# Altium PCB LVC2000A.2-2S.PcbDoc (continued)
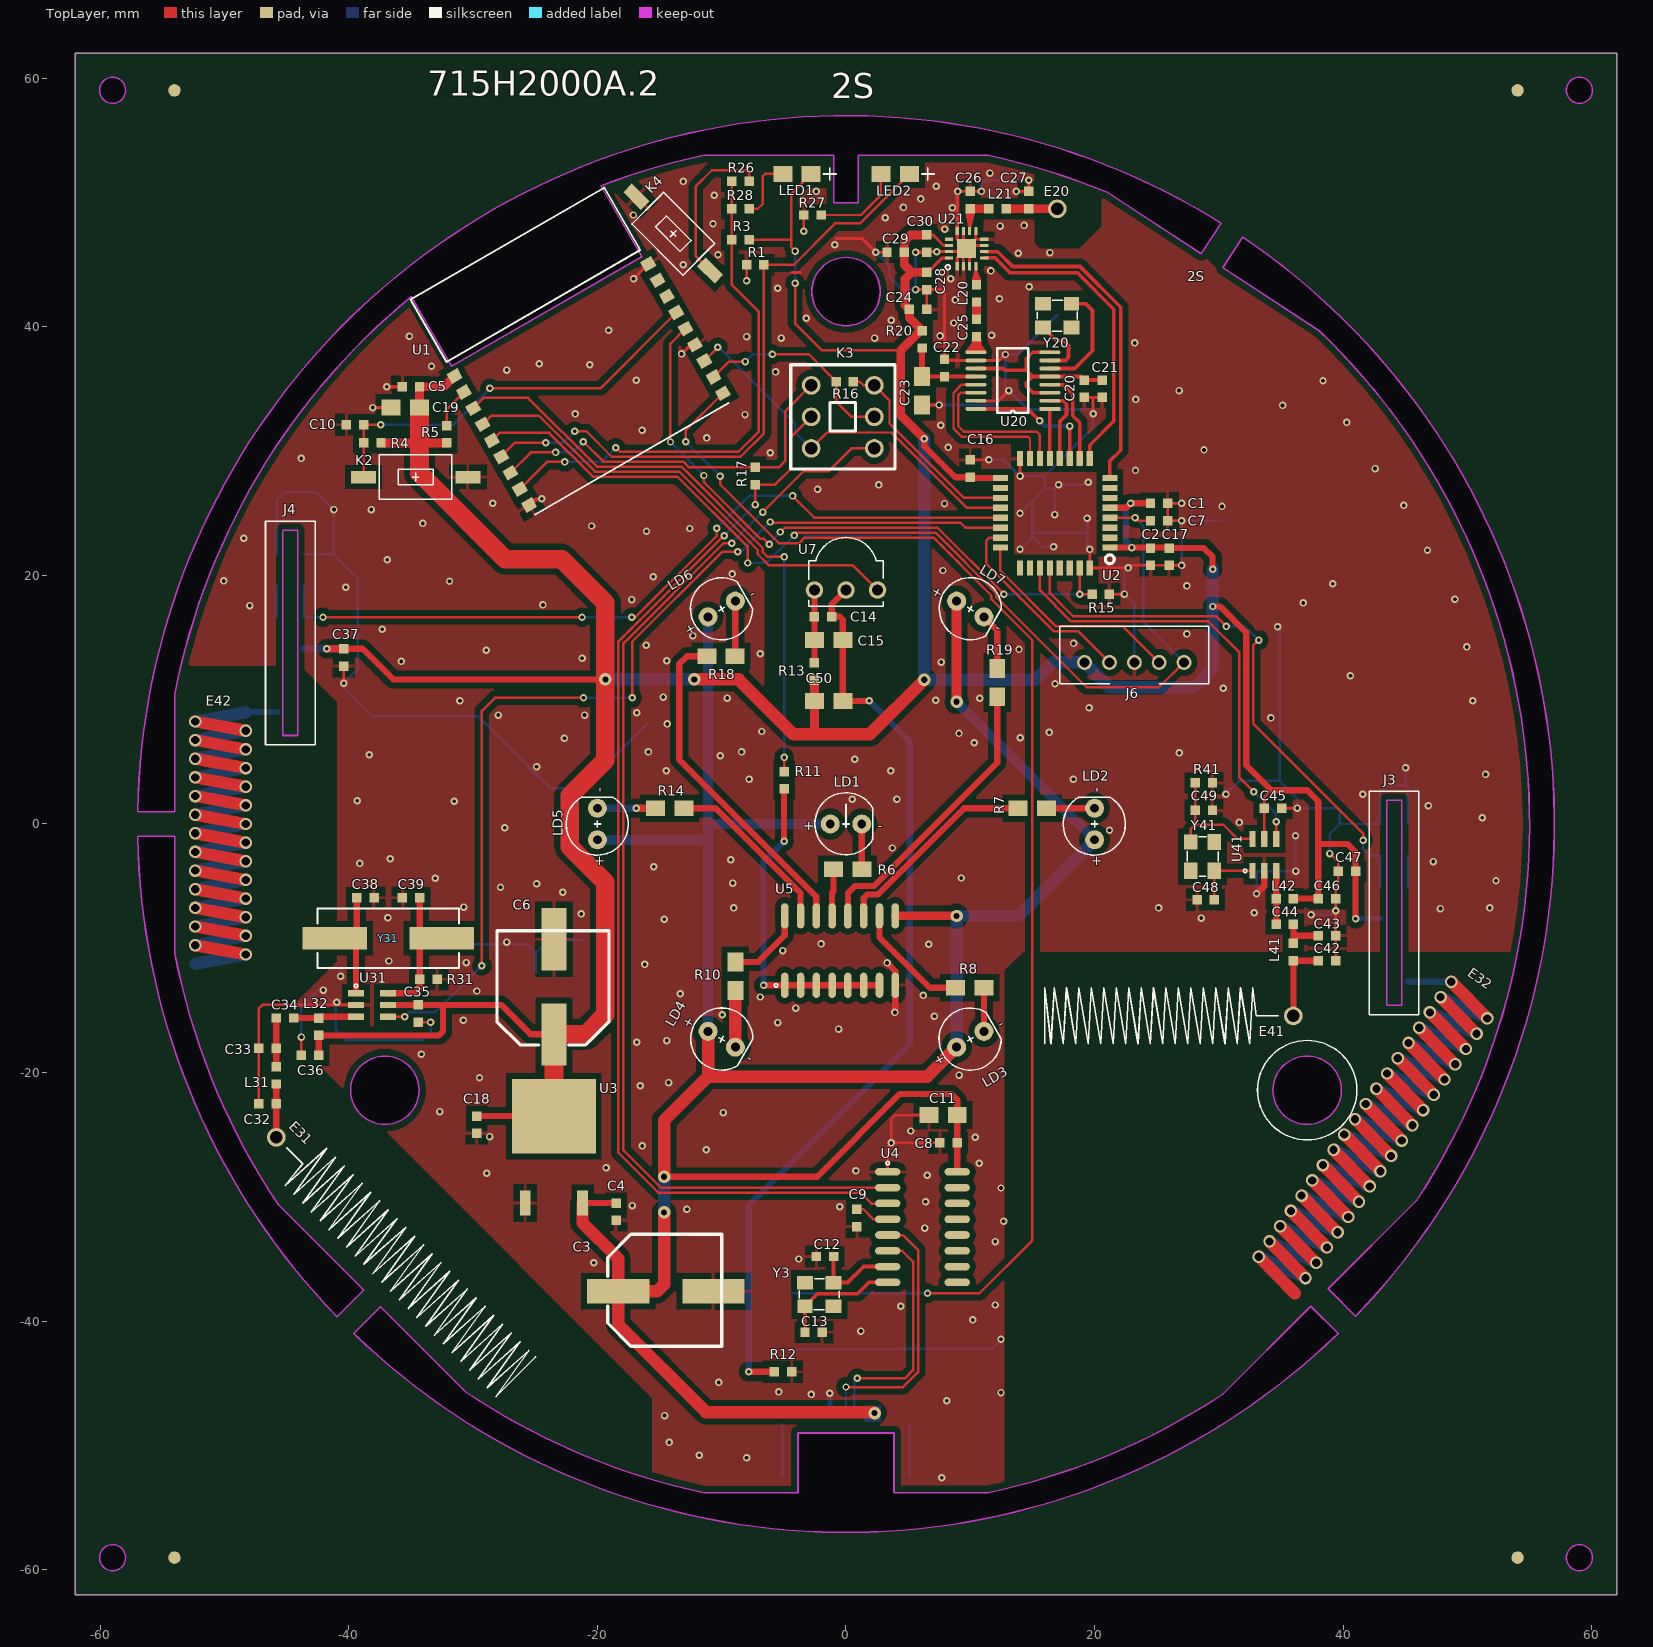
[diagram p0: TopLayer view]
## Part data
C1 C4 C5 C7 C8 C9 C10 C12 C13 C14 C16 C17 C18 C19 C20 C21 C22 C24 C25 C26 C27 C28 C29 C30 C32 C33 C34 C35 C36 C37 C38 C39 C42 C43 C44 C45 C46 C47 C48 C49: library part CAP, "Capacitor"
C2 C3 C6 C11 C15 C23 C50: library part CAPACITOR, "Capacitor"
E20 E31 E32 E41 E42: library part ANTENNA, "Generic Antenna"
J1: library part CON9, "Connector"
J3 J4: library part CON5, "Connector"
J6: "Connector"
K1 K2 K4: library part SW-PB
L20 L21: library part Inductor, "Inductor"
L31 L32 L41 L42: library part INDUCTOR
LD1 LD2 LD3 LD4 LD5 LD6 LD7: library part LED
R1 R26: library part RES1
R3 R4 R5 R6 R7 R8 R10 R11 R12 R13 R14 R15 R16 R17 R18 R19 R20 R27 R28: library part R
R31 R41: library part R, "RES"
U3: library part AMS1117
U4: "USB to TTL Serial / UART"
U7: library part IR1838
U20: library part LT8900
U31 U41: library part PT4450
Y3 Y20: library part CRYSTAL2
Y31 Y41: library part CRYSTAL

## Free pads (board coordinates)
  round 1 smd: 206(-54.035,-59.03) 206(-54.035,59.03) 206(54.035,-59.03) 206(54.035,59.03)
  round 1 smd far side: 206(-52.39,-59.03) 206(-52.39,59.03) 206(52.39,-59.03) 206(52.39,59.03)

## Via types
v1: diameter 0.6, hole 0.3, TopLayer to BottomLayer, tented both sides, 343 vias
v2: diameter 1, hole 0.66, TopLayer to BottomLayer, tented both sides, 62 vias
v3: diameter 1, hole 0.5, TopLayer to BottomLayer, tented both sides, 8 vias

## Nets (pads, with @x,y where several pads share a name; then routed paths per layer and width w, separated by ;. In a path a pad name is that pad's centre, name@x,y a point inside that pad or via, vN(x,y) a via of type N, cw(c..) or ccw(c..) an arc to the next point about the centre after c; other vN are vias at no path point)
+3.3V: C1.1 C2.1 C5.1 C6.1 C16.1 C17.1 C18.1 C19.2 C24.1 C28.1 C29.2 C30.2 C35.1 C36.1 C37.1 C45.1 C46.1 C47.1 C50.1 J3.4 J4.4 J6.1 L32.1 L42.1 LED1.1 R3.1 R4.1 R5.1 R13.1 R20.2 U1.1 U2.1 U2.5 U2.17 U3.2 U21.14 U21.16 U31.5 U41.5 | length 349.3
  TopLayer w0.2: R3.1 -4.4,47 ; v1(-4.1,43.5) -4.1,40.266 -1.967,38.133 4.382,38.133 ; v1(-4.1,46.1) -4.4,46.4 -4.4,47 ; LED1.1 -4.4,50.7 -4.4,47 ; U41.5 33.66,2.16 34.21,2.71
  TopLayer w0.25: C28.1@6.5,44.5 6.7,44.5 7.75,45.55 U21.16 ; C30.2@6.503,47.4 7,47.4 7.85,46.55 U21.14
  TopLayer w0.5: C36.1 L32.1 -32.74,-17.01 -32.42,-16.69 -32.42,-14.567 ; C37.1 -38.88,14.1 -36.41,11.63 v3(-19.36,11.63) ; U31.5 -32.427,-14.56 ; -32.42,-14.553 -27.747,-14.553 -25.375,-16.925 C6.1 ; C18.1 U3.2 ; v1(6.3,31) 6.3,30.4 8.8,27.9 C16.1 ; C16.1@10.06,27.84 U2.17 ; U2.1 v1(23,22.24) C17.1@25.96,22.24 ; U2.5 22.54,25.44 v1(22.9,25.8) C1.1 ; C17.1 28.8,22.2 29.5,21.5 v1(29.5,20.5) ; v1(29.5,17.5) 30.1,17.5 32.2,15.4 32.2,4.72 34.21,2.71 37.11,2.71 38,1.82 38,-1.603 ; L42.1 C46.1 38,-1.603 ; v1(41,-7.62) C47.1@41,-4.05 ; C47.1 41,-2.27 40.333,-1.603 38,-1.603
  TopLayer w0.6: v1(-41.78,14.1) C37.1
  TopLayer w0.7: R4.1 -34.315,30.658 R5.1 ; C19.2 C5.1 -32.369,35.179 U1.1 ; -2.54,7.214 C50.1 R13.1 ; v1(6.3,31) 4.4,32.9 4.4,38.115 5.982,39.697 R20.2 5.1,40.722 C24.1 4.75,41.75 4.75,43.85 5.3,44.4 ; C28.1@6.4,44.4 5.3,44.4 ; C30.2 5.197,47.397 4.697,46.897 C29.2 4.697,45.003 5.3,44.4
  TopLayer w1: v3@-12.217,11.63 -8.641,11.63 -4.225,7.214 -2.54,7.214 1.905,7.214 v3(6.299,11.608)
  TopLayer w1.5: C19.2 -34.315,30.658 -34.315,28.219 -27.407,21.311 -22.871,21.311 -19.36,17.8 v3(-19.36,11.63) -19.36,5.14 -22.234,2.266 -22.234,-1.826 -19.36,-4.7 -19.36,-15.36 -20.925,-16.925 C6.1 U3.2
  BottomLayer w0.2: v1(-4.1,43.5) v1(-4.1,46.1)
  BottomLayer w0.4: v1(41,-7.62) J3.4@43,-7.62
  BottomLayer w0.5: v1(22.9,25.8) 22.51,25.41 22.51,22.73 v1(23,22.24)
  BottomLayer w0.6: J4.4@-43.61,14.1 v1(-41.78,14.1)
  BottomLayer w1: v3(-19.36,11.63) -12.221,11.63 v3(-12.217,11.633) ; v1(6.3,31) 6.3,11.6 15.262,11.6 16.662,13 J6.1 21.2,11 28,11 29.5,12.5 v1(29.5,17.5) v1(29.5,20.5)
+5V: C3.1 C4.1 C8.1 C11.1 J1.1 LD1.1 LD2.1 LD3.1 LD4.1 LD5.1 LD6.1 LD7.1 U3.3 U4.16 U5.9 | length 221.4
  TopLayer w0.5: U3.3 C4.1 ; v3(-14.637,-28.378) -2.318,-28.378 4.343,-21.717 8.461,-21.717 8.944,-22.2 U4.16@8.944,-27.995
  TopLayer w0.7: U5.9 v3@8.89,-7.391
  TopLayer w0.8: v3(8.9,9.83) LD7.1@8.9,17.907
  TopLayer w1: U3.3 -21.2,-32.1 -18.325,-34.975 C3.1 ; v3(-14.637,-31.254) -14.637,-37.037 -15.2,-37.6 C3.1 ; v3(-14.637,-28.378) -14.637,-23.857 -11.1,-20.32 ; LD4.1 -11.1,-20.32 ; v3(2.3,-47.4) 2.22,-47.32 -11.28,-47.32 -18.325,-40.275 C3.1 ; LD3.1 6.536,-20.32 -11.1,-20.32
  BottomLayer w0.8: LD5.1 -11.1,-1.27 ; LD6.1 -11.1,0 ; LD4.1@-11.008,-16.594 LD4.1 -11.1,-1.27 ; LD1.1 -11.1,0 ; v3(8.9,9.83) LD2.1 ; -11.1,-1.27 -11.1,0
  BottomLayer w1: v3(-14.637,-31.254) v3(-14.637,-28.378) ; LD3.1 v3(8.9,-7.402) 13.868,-7.402 LD2.1
ANT: C25.1 U20.9 | length 1.3
  TopLayer w0.2: U20.9 10.45,39.15 C25.1
GND: C1.2 C2.2 C3.2 C4.2 C5.2 C6.2 C7.2 C8.2 C9.2 C10.2 C11.2 C12.2 C13.2 C16.2 C17.2 C18.2 C19.1 C20.1 C21.1 C22.2 C23.2 C24.2 C26.1 C27.2 C28.2 C29.1 C30.1 C32.2 C33.2 C35.2 C36.2 C37.2 C38.1 C39.1 C42.2 C43.2 C45.2 C46.2 C47.2 C48.1 C49.1 J1.5 J1.6 J1.7 J1.8 J1.9 J3.1 J4.1 J6.3 K1.1 K2.2 K4.2 R1.1 R12.1 R15.2 R27.2 R31.2 R41.1 U1.9 U1.13 U1.18 U2.16 U2.32 U3.1 U4.1 U5.8 U20.10 U20.15 U21.1 U21.2 U21.3 U21.7 U21.8 U21.9 U21.11 U21.12 U21.15 U21.17 U31.2 U41.2 | length 368.6
  TopLayer w0.2: C32.2 C33.2 -47.237,-14.837 -46.96,-14.56 U31.2 ; C36.2 v1(-43.817,-17.143) ; v1(-40.42,11.32) C37.2 ; C35.2 v1(-33.423,-15.957) ; v1(-8,43.7) R1.1 ; v1(-3.397,47.703) R27.2 ; v1(2.4,46) C29.1 ; U4.1@3.36,-28 3.36,-25.94 v1(3.64,-25.66) ; C24.2 6.5,41.403 C28.2 ; C11.2 3.95,-23.42 3.64,-23.73 v1(3.64,-25.66) ; C8.2 v1(3.64,-25.66) ; v1(9,50.9) C26.1 v1(10.9,50.9) ; U21.17@9.2,45.8 U21.17@9.45,46.05 ; U21.17@9.2,46.05 U21.17@9.45,46.05 ; U21.17@9.2,46.8 U21.17@9.45,46.55 ; U21.2 U21.17@9.45,46.05 ; U21.17@9.45,46.9 U21.17@9.45,46.55 ; U21.17@9.95,45.8 U21.17@9.95,46.05 ; U21.17@9.95,46.55 U21.17@10.2,46.8 ; C16.2 v1(11.497,29.297) ; U21.9 10.45,47.05 U21.8 ; v1(13.7,50.9) C27.2@14.697,50.9 ; v1(14.005,27.995) U2.16 ; C27.2 v1(14.7,51.8) ; v1(19.605,22.095) U2.32 v1(22.7,20.6) 22.903,20.803 C2.2 C17.2 v1(26.997,20.803) ; R15.2 v1(22.4,18.5) ; v1(27,24.4) C7.2 C1.2 v1(27,25.8) ; C45.2 v1(36.31,1.28) ; v1(38.92,-2.38) 39.603,-3.063 39.603,-4.767 39.397,-4.973 C46.2 v1(39.397,-6.99) C43.2@39.397,-8.717 ; C42.2 C43.2 ; U21.17@9.45,46.05 U21.17 U21.17@9.45,46.55
  TopLayer w0.25: v1(-38.075,33.503) C19.1 ; v1(-36.957,35.179) C5.2 ; U1.9@-25.774,25.661 U1.9 -24.994,26.162 v1(-24.486,26.162) ; v1(-17.094,43.866) U1.18 ; v1(-13.233,37.821) -12.496,38.558 U1.13 ; -4.372,44.388 -3.673,44.388 ; -0.8,47.1 1.3,47.1 v1(2.4,46) ; v1(5.6,43) C28.2@6.497,43 ; v1(5.6,46) C30.1 ; C23.2 v1(7.489,33.714) ; C28.2 7.722,43.003 7.925,42.8 C22.2 ; C30.1@6.55,46.05 v1(7.3,46.05) U21.15 U21.17@9.2,46.05 ; C22.2@8.022,37.3 U20.10 12.35,37.3 v1(12.825,37.775) ; U21.1 8.95,45.55 U21.17@9.2,45.8 ; v1@8.95,50.85 U21.12 8.95,47.05 U21.17@9.2,46.8 ; U21.17@9.45,46.9 U21.11 ; U21.3 U21.17@9.95,45.8 ; U21.17@9.95,46.55 U21.7 ; U21.17@10.2,46.8 U21.17@10.45,47.05 ; U20.15 12.275,34.05 v1(13.1,34.875) ; C20.1 19.888,34.325 ; 19.888,33.363 19.888,34.325 ; C21.1 19.888,34.325
  TopLayer w0.5: v1(3.302,-11.176) 3.962,-11.836 U5.8 v1@3.962,-15.138 ; v1(33.03,-5.62) 33.66,-4.99 U41.2
  BottomLayer w0.2: J4.1@-45.81,21.72 -45.81,26.09 -45.2,26.7 -42.6,26.7 -41.22,25.32 -41.22,21.72 ; v1(-43.817,-17.143) -43.817,-14.717 -42.36,-13.26 -41.06,-14.56 -41.06,-16.54 -40.2,-17.4 -34.1,-17.4 -33.423,-16.723 v1(-33.423,-15.957) ; J4.1@-43.61,21.72 -41.22,21.72 ; -30.6,-9.69 -25.63,-9.69 -24.96,-10.36 ; -24.96,-11.93 -24.96,-10.36 ; -21.17,-9.34 -23.94,-9.34 -24.96,-10.36 ; -16,8.03 -21.17,2.86 -23.79,2.86 -29.583,8.653 -38.153,8.653 -40.42,10.92 v1(-40.42,11.32) -39.3,12.44 -39.3,19.8 -41.22,21.72 ; J1.9 J1.8 ; K1.1@-4.344,-42.244 K1.1@4.331,-42.244 ; K1.1@4.344,-42.231 11.693,-42.231 v1(12.471,-41.453) ; J1.6 J1.7 ; v1(10.9,50.9) 10.9,51.525 11.175,51.8 v1(14.7,51.8) ; v1(11.497,29.297) 12.703,29.297 v1(14.005,27.995) 15.995,27.995 ; v1(14,22.1) 14.998,23.098 ; v1(14,25) 14.998,25.998 ; v1(16.7,22.3) 15.795,22.3 14.998,23.098 ; 16.795,26.995 15.995,26.995 ; v1(16.8,24.9) 16.8,27 v1(17.1,27.3) v1@19.3,27.3 ; v1@19.4,22.3 19.4,23.45 ; v1(19.4,24.6) 19.4,23.45 ; 19.888,33.363 19.888,31.888 15.995,27.995 ; v1(22.7,20.6) 22.4,20.3 v1(22.4,18.5) 23.2,17.7 J6.3 ; v1(26.997,20.803) v1@26.997,24.397 ; v1(27,24.4) 30.172,24.4 ; v1(30.57,2.4) 31.65,3.48 34.88,3.48 ; v1(33.03,-5.62) 33.03,-3.81 ; 33.056,-3.784 v1(36.197,-3.784) ; v1@34.88,15.88 34.88,3.48 ; v1@36.166,-3.754 v1(36.166,-0.95) ; v1(37.416,-7.302) 39.085,-7.302 v1(39.397,-6.99) ; v1(38.92,-2.38) 38.92,-0.81 39.73,0 ; v1(45.02,4.52) 45.02,3.1 ; J3.1@45.2,0 45.2,2.92 45.02,3.1 ; 14.998,23.098 14.998,23.5 ; 14.998,23.5 15.048,23.45 19.4,23.45 ; 14.998,23.5 14.998,25.998 ; 14.998,25.998 15.995,26.995 ; 15.995,26.995 15.995,27.995 ; 34.88,3.48 36.31,2.05 v1(36.31,1.28) 39.53,1.28 39.73,1.08 39.73,0 ; 39.73,0 43,0 43,2.58 43.52,3.1 45.02,3.1
  BottomLayer w0.25: v1(2.4,46) 3.5,44.9 3.5,44 4.5,43 v1(5.6,43) v1(5.6,46) ; v1(7.489,33.714) 11.939,33.714 v1(13.1,34.875) ; 17,40.95 13.825,37.775 v1(12.825,37.775) 12.825,35.15 v1(13.1,34.875) ; 19.888,33.363 14.612,33.363 v1(13.1,34.875)
  BottomLayer w0.4: J1.5 v1(-1.3,-45.8)
  other v1: 7.7,-52.6 -8,-51 -11.8,-50.8 -14.224,-49.759 -14.6,-47.6 8.1,-46.4 -2.8,-45.9 12.471,-45.745 -5.41,-45.695 -10.236,-44.933 1.2,-40.8 10.2,-39.9 4.4,-38.8 12,-38.7 -20.3,-35.3 -3.8,-35 12,-33.6 6.329,-32.512 12.675,-31.953 -12.8,-31 -0.5,-30.8 -17.2,-30.7 6.4,-30.4 12.471,-29.286 6.532,-28.27 -28.9,-28.1 0.8,-27.9 -19.304,-27.661 10.719,-27.305 -11.252,-26.213 -16.4,-25.9 10.4,-25.2 -28.677,-25.146 5.2,-24.7 -9.881,-23.216 -32.69,-23.139 -16.561,-21.057 -14.275,-20.803 -29.489,-20.422 9.1,-20.2 -34.163,-18.517 -16.84,-17.551 -14.427,-17.424 -0.6,-16.5 -5.486,-15.977 -30.785,-15.799 7.112,-15.469 -9.957,-15.342 3.937,-15.164 -4.039,-14.808 -40.97,-14.351 -6.909,-13.919 6.223,-13.792 -13.335,-13.665 -29.693,-13.437 -42.062,-13.36 -40.665,-12.243 -16.2,-11.3 -30.556,-11.151 -36.779,-11.024 -5.08,-10.185 6.655,-9.677 -2.007,-9.652 -27.3,-9.5 -14.63,-7.671 28.575,-7.569 -36.855,-7.544 -21.311,-7.239 32.842,-7.137 47.828,-6.807 -9.042,-6.756 25.146,-6.756 51.791,-6.756 -30.759,-6.68 -22.8,-5.5 -27.8,-5.1 -24.9,-4.8 -9.119,-4.75 52.299,-4.572 -33.045,-4.369 9.271,-4.343 -15.469,-3.429 -39.116,-3.175 47.244,-3.023 -9.271,-2.87 -36.678,-2.794 3.734,-1.93 21.2,-0.5 -27.457,-0.305 31.648,0.127 51.2,0.5 46.863,1.473 -31.521,1.829 -39.319,1.88 0.5,2 4.1,2 41.58,2.388 -7.798,3.607 18.3,3.6 51.46,3.988 -14.453,4.293 3.607,4.293 -24.9,4.6 0.711,5.207 -10.109,5.486 -38.354,5.563 26.822,5.715 -15.9,5.8 -8.4,5.8 10.312,6.528 -22.657,6.909 14.021,6.934 9.093,7.29 16.358,7.366 -6.782,7.442 -14.376,8.052 34.188,8.534 -27.991,8.763 -21.031,8.763 -16.84,8.941 19.558,9.347 -31.064,9.906 50.419,9.906 7.214,9.957 10.77,10.109 -9.55,10.135 -14.707,10.211 30.353,10.922 16.815,11.278 40.589,11.938 7.671,13.03 -35.789,13.081 -14.427,13.132 -21.234,13.335 -6.9,13.7 -28.956,13.97 13.919,14.046 49.936,14.249 -16.078,14.376 18.313,14.529 -12.319,15.138 27.432,15.291 -37.313,15.672 34.722,15.875 -47.981,17.577 -24.384,17.628 36.786,17.786 -17.247,18.059 48.997,18.085 -40.259,19.05 27.432,19.152 39.167,19.329 -31.902,19.533 -50.063,19.558 -15.5,19.9 -9.144,20.117 7.798,20.396 -36.906,21.26 46.787,22.022 -48.463,22.987 -16.053,23.546 -12.573,23.774 -20.472,23.978 -34.061,24.181 -41.2,25.3 -38.202,25.298 30.251,25.552 44.882,25.629 7.925,25.781 -28.423,25.806 -2.286,26.924 2.642,27.28 19.5,27.5 23.292,28.448 42.57,28.6 -43.84,29.413 -6.096,29.87 28.804,30.099 8.23,30.302 -11.201,31.064 -16.408,31.674 7.62,32.08 40.284,32.309 -8.128,32.944 -21.793,32.995 19.9,33 35.128,33.68 23.317,34.163 26.797,34.874 38.379,35.662 -16.866,35.712 -5.664,36.373 -27.305,36.525 -33.35,36.83 -20.625,36.957 -24.689,37.033 23.241,38.71 -5.2,39.1 2.3,39.1 -8.001,39.218 -35.128,39.243 7.569,39.268 11.709,39.319 -19.101,39.726 8.661,40.31 3.632,40.538 -3.2,40.7 8.788,42.164 12.344,42.266 -5.499,43.1 14.732,43.231 8.433,43.866 11.659,44.501 -13.1,45 -10.3,45.8 13.868,45.923 16.408,45.974 -0.9,46.6 7.95,47.854 12.395,48.108 14.326,48.158 -10.7,48.3 3.15,48.768 -17.1,49 8.56,49.581 4.623,49.606 6.02,50.292 -10.6,50.6 -2.4,50.9 7.264,51.308 -13.1,51.7 11.582,52.375
NetC7_1: C7.1 J6.5 U1.5 U2.4 | length 84.8
  TopLayer w0.2: U1.5 -27.89,31.462 -23.883,31.462 -20.372,27.951 -13.58,27.951 -7.9,22.272 v1(-7.9,21) ; v1(-4.166,23.216) -3.941,23.44 7.194,23.44 12.105,18.529 12.105,18.246 19.351,11 25.2,11 J6.5 ; U2.4 v1(23.26,24.64) 23.5,24.4 C7.1
  BottomLayer w0.2: v1(-7.9,21) -6.381,21 v1(-4.166,23.216) ; v1(23.26,24.64) 23.9,24 23.9,16.3 J6.5
NetC9_1: C9.1 U4.4 | length 2.8
  TopLayer w0.2: C9.1 1.4,-31 2.21,-31.81 U4.4@3.36,-31.81
NetC10_1: C10.1 K2.1 R4.2 U1.15 | length 33.1
  TopLayer w0.2: K2.1 C10.1@-38.82,32.122 ; C10.1 v1(-37.44,32.131) ; v1(-28.651,35.052) -19.761,35.052 U1.15
  BottomLayer w0.2: v1(-37.44,32.131) -31.572,32.131 v1(-28.651,35.052)
NetC12_1: C12.1 U4.7 Y3.1 | length 7
  TopLayer w0.3: C12.1 Y3.1 0.131,-36.9 1.42,-35.611 U4.7
NetC13_1: C13.1 U4.8 Y3.3 | length 9.6
  TopLayer w0.3: C13.1 Y3.3 -2.3,-37.8 0.915,-37.8 1.834,-36.881 U4.8
NetC14_1: C14.1 C15.1 R13.2 U7.3 | length 5.8
  TopLayer w0.5: R13.2 C15.1 C14.1 U7.3
NetC14_2: C14.2 C15.2 C50.2 R12.2 U7.2 | length 75
  TopLayer w0.5: v1(-7.823,-44.069) R12.2 ; U7.2 -1.143,17.678 C14.2 -0.508,16.688 -0.254,16.434 C15.2 C50.2 v1(1.88,9.906)
  BottomLayer w0.5: v1(-7.823,-44.069) -7.823,-30.683 5.131,-17.729 5.131,6.655 v1(1.88,9.906)
NetC22_1: C22.1 C23.1 R20.1 U20.12 | length 6.6
  TopLayer w0.3: C23.1 U20.12
  TopLayer w0.5: C23.1 R20.1
NetC25_2: C25.2 L20.1 | length 1.4
  TopLayer w0.7: C25.2 L20.1
NetC26_2: C26.2 L21.1 U21.10 | length 3.3
  TopLayer w0.25: U21.10 9.95,49.453 9.997,49.5 C26.2
  TopLayer w0.7: C26.2@9.997,49.5 L21.1
NetC27_1: C27.1 E20.1 L21.2 | length 4.1
  TopLayer w0.7: L21.2 C27.1 E20.1
NetC32_1: C32.1 E31.1 L31.1 | length 4.3
  TopLayer w0.5: E31.1 L31.1
NetC33_1: C33.1 C34.2 L31.2 | length 3.9
  TopLayer w0.5: L31.2 C34.2@-45.84,-15.607
NetC34_1: C34.1 L32.2 U31.3 | length 4.9
  TopLayer w0.5: C34.1@-44.417,-15.613 L32.2 ; L32.2@-42.36,-15.51 U31.3
NetC38_2: C38.2 U31.1 Y31.1 | length 7.5
  TopLayer w0.5: U31.1 Y31.1@-39.42,-9.473 ; Y31.1@-39.37,-9.322 -39.37,-9.195 C38.2
NetC39_2: C39.2 R31.1 U31.6 Y31.2 | length 10
  TopLayer w0.5: U31.6 -34.692,-13.61 -34.29,-13.208 R31.1 -34.29,-9.195 C39.2
NetC42_1: C42.1 E41.1 L41.1 | length 6.4
  TopLayer w0.5: E41.1@36,-15.435 L41.1 C42.1
NetC43_1: C43.1 C44.2 L41.2 | length 3.6
  TopLayer w0.5: L41.2 C44.2@36,-8.053 ; 36,-9 C43.1
NetC44_1: C44.1 L42.2 U41.3 | length 4.3
  TopLayer w0.5: C44.1@34.61,-8.04 U41.3
NetC48_2: C48.2 U41.1 Y41.1 | length 5.4
  TopLayer w0.2: C48.2 Y41.1@29.642,-3.781 ; Y41.1@29.653,-3.77 U41.1
NetC49_2: C49.2 R41.2 U41.6 Y41.2 | length 10
  TopLayer w0.2: Y41.2 27.742,-0.401 28.092,-0.051 ; R41.2 C49.2 28.092,-0.051 ; U41.6 31.507,-1.205 30.353,-0.051 28.092,-0.051
NetE32_1: E32.1 J3.5 | length 3.5
  BottomLayer w0.5: J3.5@45.2,-12.7 E32.1
  other v2: 36.973,-36.534 37.833,-35.305 33.213,-34.817 38.693,-34.076 34.074,-33.588 39.554,-32.848 34.934,-32.36 40.414,-31.619 35.795,-31.131 41.274,-30.39 36.655,-29.902 42.135,-29.161 37.515,-28.673 42.995,-27.933 38.376,-27.445 43.856,-26.704 39.236,-26.216 44.716,-25.475 40.096,-24.987 45.576,-24.246 40.957,-23.759 46.437,-23.018 41.817,-22.53 47.297,-21.789 42.677,-21.301 48.157,-20.56 43.538,-20.072 49.018,-19.332 44.398,-18.844 49.878,-18.103 45.259,-17.615 50.738,-16.874 46.119,-16.386 51.599,-15.645 46.979,-15.157 47.84,-13.929
NetE42_1: E42.1 J4.5 | length 2.5
  BottomLayer w0.5: E42.1@-48.28,9.02 J4.5@-45.81,9.02
  other v2: -48.3,-10.5 -52.364,-9.75 -48.3,-9 -52.364,-8.25 -48.3,-7.5 -52.364,-6.75 -48.3,-6 -52.364,-5.25 -48.3,-4.5 -52.364,-3.75 -48.3,-3 -52.364,-2.25 -48.3,-1.5 -52.364,-0.75 -48.3,0 -52.364,0.75 -48.3,1.5 -52.364,2.25 -48.3,3 -52.364,3.75 -48.3,4.5 -52.364,5.25 -48.3,6 -52.364,6.75 -48.3,7.5 -52.364,8.25
NetJ1_2: J1.2 U4.6 | length 18.9
  TopLayer w0.2: v1(0.9,-44.6) 4.734,-44.6 5.4,-43.934 5.4,-35.22 4.53,-34.35 U4.6@3.36,-34.35
  BottomLayer w0.2: J1.2 0.65,-44.85 v1(0.9,-44.6)
NetJ1_3: J1.3 U4.5 | length 21.2
  TopLayer w0.2: v1(0,-45.3) 4.6,-45.3 5.8,-44.1 5.8,-34.28 4.6,-33.08 U4.5@3.36,-33.08
  BottomLayer w0.2: J1.3 v1(0,-45.3)
NetJ3_2: J3.2 J3.3 U2.28 | length 47.7
  TopLayer w0.2: U2.28 16.405,18.577 18.282,16.7 29.8,16.7 30.176,16.324 v1(30.6,15.9) ; v1(33.2,14.8) 32.75,14.35 32.75,8.1 41.6,-0.75 v1(41.6,-1.3)
  BottomLayer w0.2: v1(30.6,15.9) 32.1,15.9 v1(33.2,14.8) ; v1(41.6,-1.3) 41.6,-2 42.14,-2.54 43,-2.54 J3.3@43,-5.08 ; J3.3@45.2,-5.08 J3.2@45.2,-2.54
NetJ4_2: J4.2 J4.3 U2.21 | length 66.3
  TopLayer w0.2: v1(-42.08,16.64) v1(-21.24,16.64) ; v1(-17.24,16.64) -16.926,16.64 -10.4,23.166 v1(-10.4,23.8) ; v1(-4.3,26.4) -2.54,24.64 U2.21
  BottomLayer w0.2: J4.3@-45.81,16.64 J4.2@-45.81,19.18 ; J4.2@-43.61,19.18 -43.61,16.64 v1(-42.08,16.64) ; v1(-21.24,16.64) v1(-17.24,16.64) ; v1(-10.4,23.8) -7.8,26.4 v1(-4.3,26.4)
NetJ6_2: J6.2 U2.23 | length 16.3
  TopLayer w0.2: U2.23 11.54,23.04 11.3,22.8 11.3,20.934 16.734,15.5 18.7,15.5 J6.2
NetJ6_4: J6.4 U2.24 | length 17.7
  TopLayer w0.2: U2.24 12.425,20.375 16.9,15.9 22.3,15.9 J6.4
NetK1_2: K1.2 U1.10 | length 110
  TopLayer w0.2: v1(-12.903,30.759) -12.903,31.664 U1.10 ; v1(-10.135,27.991) -10.135,27.335 -5.408,22.608 -3.757,22.608 -3.325,23.04 7.029,23.04 11.705,18.364 11.705,18.081 15,14.786 15,-33.501 10.745,-37.756 v1(6.556,-37.756)
  BottomLayer w0.2: v1(-12.903,30.759) v1(-10.135,27.991) ; K1.2@-4.331,-37.756 4.344,-37.756 v1(6.556,-37.756)
NetK3_1: K3.1 R17.1 U1.7 | length 31.2
  TopLayer w0.2: U1.7 -25.358,29.896 v1(-23.368,29.896) ; v1(-21.133,30.759) -19.525,29.151 -13.083,29.151 -12.631,28.7 R17.1 -5.4,28.7 -4.9,29.2 -4.9,33.2 K3.1
  BottomLayer w0.2: v1(-23.368,29.896) -21.996,29.896 v1(-21.133,30.759)
NetK3_2: K3.2 R17.2 U4.3 | length 89.9
  TopLayer w0.2: v1(-9.8,23.2) -18.31,14.69 -18.31,-26.45 -15.09,-29.67 1.192,-29.67 2.062,-30.54 U4.3@3.36,-30.54 ; v1(-7.3,25.7) R17.2 -5.697,27.303 -4.5,28.5 -4.5,31.06 K3.2
  BottomLayer w0.2: v1(-9.8,23.2) v1(-7.3,25.7)
NetK3_3: K3.3 U1.12 U2.20 | length 31.1
  TopLayer w0.2: U1.12 v1(-10.311,38.354) ; K3.3 -1.52,31.5 3.674,31.5 9.734,25.44 U2.20
  BottomLayer w0.2: v1@-10.3,38.42 -4.1,32.22 -4.1,31.52 K3.3
NetK3_4: K3.4 U4.2 | length 90
  TopLayer w0.2: v1(-9.2,22.6) -9.834,22.6 -17.91,14.524 -17.91,-26.249 -14.889,-29.27 3.348,-29.27 U4.2 ; v1(-6.7,25.1) -3.4,28.4 -1.38,28.4 0.44,30.22 K3.4
  BottomLayer w0.2: v1(-9.2,22.6) v1(-6.7,25.1)
NetK3_5: K3.5 R16.2 U1.11 | length 16.7
  TopLayer w0.2: U1.11 -9.405,37.211 v1(-8.103,37.211) ; v1(-5.918,37.795) -2.992,37.795 R16.2 ; R16.2@-0.8,35.597 -0.8,34 0.44,32.76 K3.5
  BottomLayer w0.2: v1(-8.103,37.211) -7.518,37.795 v1(-5.918,37.795)
NetK3_6: K3.6 R16.1 U2.19 | length 16.8
  TopLayer w0.2: R16.1 1.1,35.6 1.4,35.3 K3.6 3.5,34.08 3.5,32.24 9.5,26.24 U2.19
NetK4_1: K4.1 R26.2 | length 12.8
  TopLayer w0.2: K4.1 -12.1,45.7 -12.1,51.3 -10.8,52.6 -8.1,52.6 -7.803,52.303 R26.2
NetL20_2: L20.2 U21.4 | length 1.4
  TopLayer w0.25: L20.2@10.45,43.447 U21.4
NetLD1_2: LD1.2 R6.2 | length 3.6
  TopLayer w0.5: R6.2 LD1.2
NetLD2_2: LD2.2 R7.2 | length 3.9
  TopLayer w0.5: R7.2 LD2.2
NetLD3_2: LD3.2 R8.2 | length 3.5
  TopLayer w0.5: LD3.2 R8.2@11.1,-13.186
NetLD4_2: LD4.2 R10.2 | length 4.6
  TopLayer w1: LD4.2 R10.2
NetLD5_2: LD5.2 R14.2 | length 4.7
  TopLayer w0.6: v1(-16.866,1.27) R14.2
  BottomLayer w0.6: LD5.2 v1(-16.866,1.27)
NetLD6_2: LD6.2 R18.2 | length 4.4
  TopLayer w0.5: R18.2 LD6.2@-8.914,17.921
NetLD7_2: LD7.2 R19.2 | length 4.6
  TopLayer w0.5: LD7.2 12.167,15.598 R19.2
NetLED1_2: LED1.2 R28.2 | length 5.2
  TopLayer w0.2: R28.2 -7.1,49.5 -6.7,49.9 -6.7,52.1 -6.5,52.3 LED1.2
NetLED2_1: LED2.1 R1.2 U1.6 | length 51.9
  TopLayer w0.2: U1.6 -26.62,30.683 v1(-24.155,30.683) ; v1(-21.819,31.598) -20.893,31.598 -18.847,29.551 -8.473,29.551 -6.603,31.421 R1.2 -4.2,45 -0.881,48.319 1.119,48.319 LED2.1
  BottomLayer w0.2: v1(-24.155,30.683) -22.733,30.683 v1(-21.819,31.598)
NetLED2_2: LED2.2 R27.1 | length 7.2
  TopLayer w0.2: R27.1 1.2,49 2.814,50.614 LED2.2
NetR3_2: R3.2 R26.1 R28.1 U1.8 | length 42.5
  TopLayer w0.2: U1.8 -24.071,29.134 v1(-22.631,29.134) ; v1(-18.517,30.277) -18.191,29.951 -8.638,29.951 -7.003,31.586 -7.003,41.212 -9.2,43.409 R28.1 R26.1
  BottomLayer w0.2: v1(-22.631,29.134) -19.66,29.134 v1(-18.517,30.277)
NetR5_2: R5.2 U1.2 | length 3.3
  TopLayer w0.2: R5.2 -32.106,33.394 U1.2
NetR6_1: R6.1 U5.13 | length 3.8
  TopLayer w0.5: U5.13 -1.118,-5.512 -1.016,-5.41 R6.1
NetR7_1: R7.1 U5.11 | length 16.8
  TopLayer w0.5: U5.11 1.422,-5.958 1.702,-5.678 2.551,-5.678 9.499,1.27 R7.1
NetR8_1: R8.1 U5.10 | length 9.5
  TopLayer w0.5: U5.10 2.692,-9.119 6.756,-13.183 R8.1
NetR10_1: R10.1 U5.16 | length 6.4
  TopLayer w0.5: R10.1 -7.061,-11.1 -4.928,-8.966 U5.16
NetR11_1: R11.1 U5.1 U5.2 U5.3 U5.4 U5.5 U5.6 U5.7 | length 25.8
  TopLayer w0.5: v1(-6.629,-12.979) U5.1 U5.2 U5.3 U5.4 U5.5 U5.6 U5.7 ; v1(-4.978,-1.397) R11.1
  BottomLayer w0.5: v1(-6.629,-12.979) -6.629,-3.023 v1@-4.978,-1.372
NetR11_2: R11.2 U1.3 | length 48.1
  TopLayer w0.2: U1.3 -29.16,34.29 -25.579,34.29 -20.041,28.751 -13.248,28.751 -6.7,22.203 -6.7,21.871 -6.318,21.488 v1(-4.978,21.488) ; R11.2 v1(-4.978,5.359)
  BottomLayer w0.2: v1(-4.978,5.359) v1(-4.978,21.488)
NetR14_1: R14.1 U5.15 | length 14
  TopLayer w0.5: R14.1 -10.49,1.27 -3.658,-5.563 U5.15
NetR15_1: R15.1 U1.14 U2.31 | length 52.4
  TopLayer w0.2: v1(-14.122,30.734) -14.122,38.641 U1.14 ; v1(-11.43,28.042) -11.43,27.499 -6.868,22.936 -6.604,22.936 v1(-6.172,22.504) ; v1(-5.283,23.495) -4.938,23.84 7.36,23.84 v1(12.705,18.495) v1@12.505,18.495 ; v1(18.805,18.495) U2.31 ; v1@18.81,18.5 R15.1
  BottomLayer w0.2: v1(-14.122,30.734) v1(-11.43,28.042) ; v1(-6.172,22.504) -6.172,22.606 v1(-5.283,23.495) ; v1(12.705,18.495) v1(18.805,18.495)
NetR18_1: R18.1 U5.14 | length 27.3
  TopLayer w0.5: R18.1 -12.789,13.5 -13.411,12.878 -13.411,5.181 -2.388,-5.843 U5.14
NetR19_1: R19.1 U5.12 | length 23.5
  TopLayer w0.5: U5.12 0.152,-5.563 0.737,-4.978 2.261,-4.978 12.167,4.928 R19.1
NetU1_4: U1.4 U7.1 | length 38.1
  TopLayer w0.2: U1.4 -28.538,32.863 -24.718,32.863 -20.206,28.351 -13.414,28.351 -7.1,22.037 -7.1,21.705 -6.223,20.828 0.533,20.828 U7.1
NetU2_8: U2.8 U21.6 | length 26.9
  TopLayer w0.3: U21.6 12.207,46.05 13.407,44.85 18.832,44.85 22.1,41.582 22.1,30.075 21.225,29.2 U2.8
NetU2_9: U2.9 U21.5 | length 25
  TopLayer w0.3: U21.5 12,45.55 13.2,44.35 18.625,44.35 21.55,41.425 21.55,32.425 19.605,30.48 U2.9
NetU2_10: U2.10 U20.4 | length 7.6
  TopLayer w0.3: U20.4 17.5,35.35 18.25,34.6 18.25,32.85 18.805,32.295 U2.10
NetU2_11: U2.11 U20.16 | length 10.7
  TopLayer w0.3: U20.16 14.625,33.4 v1(15.575,32.45) ; U2.11 v1(18.005,32.02)
  BottomLayer w0.3: v1(15.575,32.45) 16.005,32.02 v1(18.005,32.02)
NetU2_12: U2.12 U20.2 | length 6.1
  TopLayer w0.3: U20.2 17.475,34.05 17.75,33.775 17.75,32.925 17.205,32.38 U2.12
NetU2_13: U2.13 U20.1 | length 4
  TopLayer w0.3: U20.1 16.4,29.405 U2.13
NetU2_14: U2.14 U20.14 | length 12.8
  TopLayer w0.2: U20.14 9.225,34.7 9.05,34.525 9.05,32 9.475,31.575 15.35,31.575 15.605,31.32 U2.14
NetU2_15: U2.15 U20.13 | length 13
  TopLayer w0.2: U20.13 9.309,35.35 8.65,34.691 8.65,31.834 9.309,31.175 14.625,31.175 14.805,30.995 U2.15
NetU2_22: U2.22 U31.4 | length 80.6
  TopLayer w0.2: U31.4 v1(-35.51,-15.51) ; v1(-29.3,-11.4) -29.3,9.1 -28.25,10.15 v1(-21.12,10.15) ; v1(-17.2,10.15) -17.2,14.669 -9.969,21.9 v1(-8.7,21.9) ; v1(-6.1,24.3) -6.04,24.24 9.201,24.24 9.601,23.84 U2.22
  BottomLayer w0.2: v1(-35.51,-15.51) -35.14,-15.14 -33.04,-15.14 v1(-29.3,-11.4) ; v1(-21.12,10.15) v1(-17.2,10.15) ; v1(-8.7,21.9) -8.5,21.9 v1(-6.1,24.3)
NetU2_27: U2.27 U41.4 | length 36.1
  TopLayer w0.2: U2.27 15.605,18.812 18.117,16.3 29.15,16.3 31.65,13.8 31.65,3.75 v1(32.8,2.6) ; U41.4 v1(34.61,0.19)
  BottomLayer w0.2: v1(32.8,2.6) 34.61,0.79 v1(34.61,0.19)
NetU20_6: U20.6 Y20.3 | length 9.2
  TopLayer w0.3: U20.6 18.4,36.65 19.825,38.075 19.825,41.325 19.3,41.85 Y20.3
NetU20_7: U20.7 Y20.1 | length 5.2
  TopLayer w0.3: Y20.1 16.875,38.925 17.5,38.925 17.9,38.525 17.9,37.547 17.653,37.3 U20.7
VDD1.8V: C20.2 C21.2 U20.3 U20.5 U20.8 U20.11 | length 16.3
  TopLayer w0.3: U20.11 12.625,36.65 12.775,36.5 14.5,36.5 ; U20.3 15.05,34.7 14.5,35.25 14.5,35.5 15,36 ; U20.8 15.025,37.95 14.5,37.425 14.5,36.5 ; C20.2@18.897,36 U20.5 15,36 ; C20.2 C21.2 ; 14.5,36.5 15,36
pads on no net: J1.4 U1.16 U1.17 U2.2 U2.3 U2.6 U2.7 U2.18 U2.25 U2.26 U2.29 U2.30 U4.9 U4.10 U4.11 U4.12 U4.13 U4.14 U4.15 U21.13 Y3.2 Y3.4 Y20.2 Y20.4 Y41.3 Y41.4
copper on no net: | length 8.7
  BottomLayer w0.1: -3.359,23.216 5.291,23.216

## Polygon pours and split planes (outlines as drawn)
GND on BottomLayer "BottomLayer-No Net" (solid, remove dead copper, pour order 4): -1.651,-55.728 10.287,-55.728 12.751,-53.264 12.751,-11.786 14.275,-10.262 57.125,-10.262 58.649,-8.738 58.649,20.091 37.059,41.681 35.738,41.681 32.664,44.755 32.639,44.78 30.337,44.78 29.694,44.78 28.587,45.888 28.331,45.888 23.317,50.902 22.758,51.46 21.387,51.46 20.625,51.46 20.574,51.511 20.574,48.082 18.771,46.279 15.621,46.279 15.342,46.558 15.138,46.761 15.138,52.197 15.138,53.518 14.097,54.559 4.166,54.559 3.175,55.55 -35.941,55.55 -38.227,53.264 -44.831,46.66 -44.831,39.319 -44.831,36.525 -49.022,32.334 -54.305,27.051 -54.305,12.751 -43.866,12.751 -40.919,9.804 -40.919,-11.024 -44.171,-14.275 -44.171,-17.602 -42.469,-19.304 -15.57,-46.203 -15.57,-50.902 -15.57,-53.34 -14.148,-54.762
GND on TopLayer "BottomLayer-No Net" (solid, remove dead copper, pour order 3): -1.651,-55.728 10.287,-55.728 12.751,-53.264 12.751,-11.786 14.275,-10.262 57.125,-10.262 58.649,-8.738 58.649,20.091 37.059,41.681 35.738,41.681 32.664,44.755 32.639,44.78 30.337,44.78 29.694,44.78 28.587,45.888 28.331,45.888 23.317,50.902 22.758,51.46 21.387,51.46 20.625,51.46 20.574,51.511 20.574,48.082 18.771,46.279 15.621,46.279 15.342,46.558 15.138,46.761 15.138,52.197 15.138,53.518 14.097,54.559 4.166,54.559 3.175,55.55 -35.941,55.55 -38.227,53.264 -44.831,46.66 -44.831,39.319 -44.831,36.525 -49.022,32.334 -54.305,27.051 -54.305,12.751 -43.866,12.751 -40.919,9.804 -40.919,-11.024 -44.171,-14.275 -44.171,-17.602 -42.469,-19.304 -15.57,-46.203 -15.57,-50.902 -15.57,-53.34 -14.148,-54.762

## Keep-outs
KeepOutLayer:
  circle w0.127: c-59.01,59.03 r1.05
  circle w0.127: c59.01,59.03 r1.05
  circle w0.127: c59.01,-59.03 r1.05
  circle w0.127: c-59.01,-59.03 r1.05
  circle w0.127: c37.102,-21.421 r2.75
  circle w0.127: c0,42.842 r2.75
  circle w0.127: c-37.102,-21.421 r2.75
  lines w0.127: -54.007,-10.401 ccw(c0,0) -45.701,-30.601 ; -54.007,10.401 cw(c0,0) -34.984,42.439 -31.741,36.821 -16.433,45.658 ; -54,-10.401 -54,-1 -56.991,-1 ccw(c0,0) -40.951,-39.649 ; -54,10.4 -54,1 -56.991,1 cw(c0,0) 30.189,48.349 ; -45.7,-30.6 -41.925,-34.375 -38.8,-37.5 -40.95,-39.65 ; -30.601,-45.701 ccw(c0,0) -11.435,-53.798 ; -30.601,-45.699 -37.45,-38.85 -39.599,-40.999 ccw(c0,0) 39.599,-40.999 ; -16.428,45.661 -19.71,51.347 cw(c0,0) -11.435,53.798 -1.002,53.798 ; -11.433,-53.8 -3.861,-53.8 -3.861,-49 3.861,-49 3.861,-53.797 11.434,-53.797 ; -1,53.796 -1,50 1,50 1,53.796 ; 1,53.798 11.435,53.798 cw(c0,0) 21.048,50.813 28.587,45.888 30.189,48.349 ; 11.435,-53.798 ccw(c0,0) 30.301,-45.901 37.4,-38.8 39.6,-41 ; 30.321,44.755 38.079,39.686 cw(c0,0) 45.901,-30.301 38.8,-37.4 40.999,-39.599 ccw(c0,0) 31.926,47.22 ; 30.321,44.755 31.926,47.22 ; -62,-62 62,-62 62,62 -62,62 -62,-62

## Other copper
TopLayer:
  region net ANT: 10.45,37.95 9.6,38 9.9,38.4 10.1,38.7 10.1,39 10.9,39 10.9,38.6 11.3,38 10.7,38
  region net NetL20_2: 10.4,44.6 10.325,44.45 10.2,44 10.125,43.775 10.2,43.725 10.8,43.725 10.85,43.75 10.875,43.775 10.575,44.45 10.5,44.6
  region net NetC26_2: 10.075,48.025 9.825,48.025 9.625,49.125 9.675,49.375 10.2,49.375 10.275,49.3 10.325,49.175 10.375,49.125
BottomLayer:
  rectangle net +5V: 1.4,-48.1 2.8,-46.8

## Silkscreen, mask and mechanical layers (free items; w line width, h text height)
TopOverlay:
  circle w0.127: c37.109,-21.412 r4
  lines w0.127: 0,0 0,1.6
  text "715H2000A.2" at -33.68,58.6 h2
  text "2S" at -1.2,58.4 h2
  text "2S" at 27.457,43.688 h0.8
BottomOverlay:
  circle w0.127: c0,0 r17.5
  lines w0.127: -34.112,2.72 ccw(c-30.023,0.02) -25.934,2.72 -27.209,2.72 ccw(c-30.023,0.02) -27.923,3.306 -27.923,8.37 ccw(c-30.023,8.37) -32.123,8.37 -32.123,3.306 ccw(c-30.023,0.02) -32.837,2.72 -34.112,2.72 ; 25.888,2.72 ccw(c29.977,0.02) 34.066,2.72 32.791,2.72 ccw(c29.977,0.02) 32.077,3.306 32.077,8.37 ccw(c29.977,8.37) 27.877,8.37 27.877,3.306 ccw(c29.977,0.02) 27.163,2.72 25.888,2.72
TopSolder:
  region: -53.235,59.855 -54.885,59.855 -54.885,58.18 -53.235,58.18
  rectangle: 53.235,58.18 54.885,59.855
  rectangle: 53.235,-59.855 54.885,-58.18
  region: -53.235,-58.18 -54.885,-58.18 -54.885,-59.855 -53.235,-59.855
BottomSolder:
  region: -51.59,59.855 -53.24,59.855 -53.24,58.18 -51.59,58.18
  rectangle: 51.59,58.18 53.24,59.855
  rectangle: 51.59,-59.855 53.24,-58.18
  region: -51.59,-58.18 -53.24,-58.18 -53.24,-59.855 -51.59,-59.855

## Text inside footprints (layer, text, board x,y; h text height)
LD1: TopOverlay "-" at 2.54,-0.508 h0.8; TopOverlay "+" at -3.429,-0.508 h0.8
LD2: TopOverlay "-" at 20.508,2.54 h0.8 r90; TopOverlay "+" at 20.508,-3.429 h0.8 r90
LD3: TopOverlay "-" at 12.454,-16.49 h0.8 r30; TopOverlay "+" at 7.284,-19.475 h0.8 r30
LD4: TopOverlay "-" at -8.054,-19.03 h0.8 r330; TopOverlay "+" at -13.224,-16.046 h0.8 r330
LD5: TopOverlay "-" at -19.492,2.54 h0.8 r90; TopOverlay "+" at -19.492,-3.429 h0.8 r90
LD6: TopOverlay "-" at -7.546,18.13 h0.8 r30; TopOverlay "+" at -12.716,15.146 h0.8 r30
LD7: TopOverlay "-" at 11.946,15.59 h0.8 r330; TopOverlay "+" at 6.776,18.575 h0.8 r330